# Altium PCB NNP-DWG-165-001-000 BP2 PCB, Unpopulated.PcbDoc (part 2 of 3)
Units mil, origin at the board's own origin, x right, y up, seen from the top; angles counter-clockwise.
Board outline 4165.82 x 2037.39 mil, 4 copper layers (Layer 1, Plated Cu, Layer 2, Cu, Layer 3, Cu, Layer 4, Plated Cu), stack 15.546 mil thick; 177 components, 109 nets, 543 pads, 287 vias.
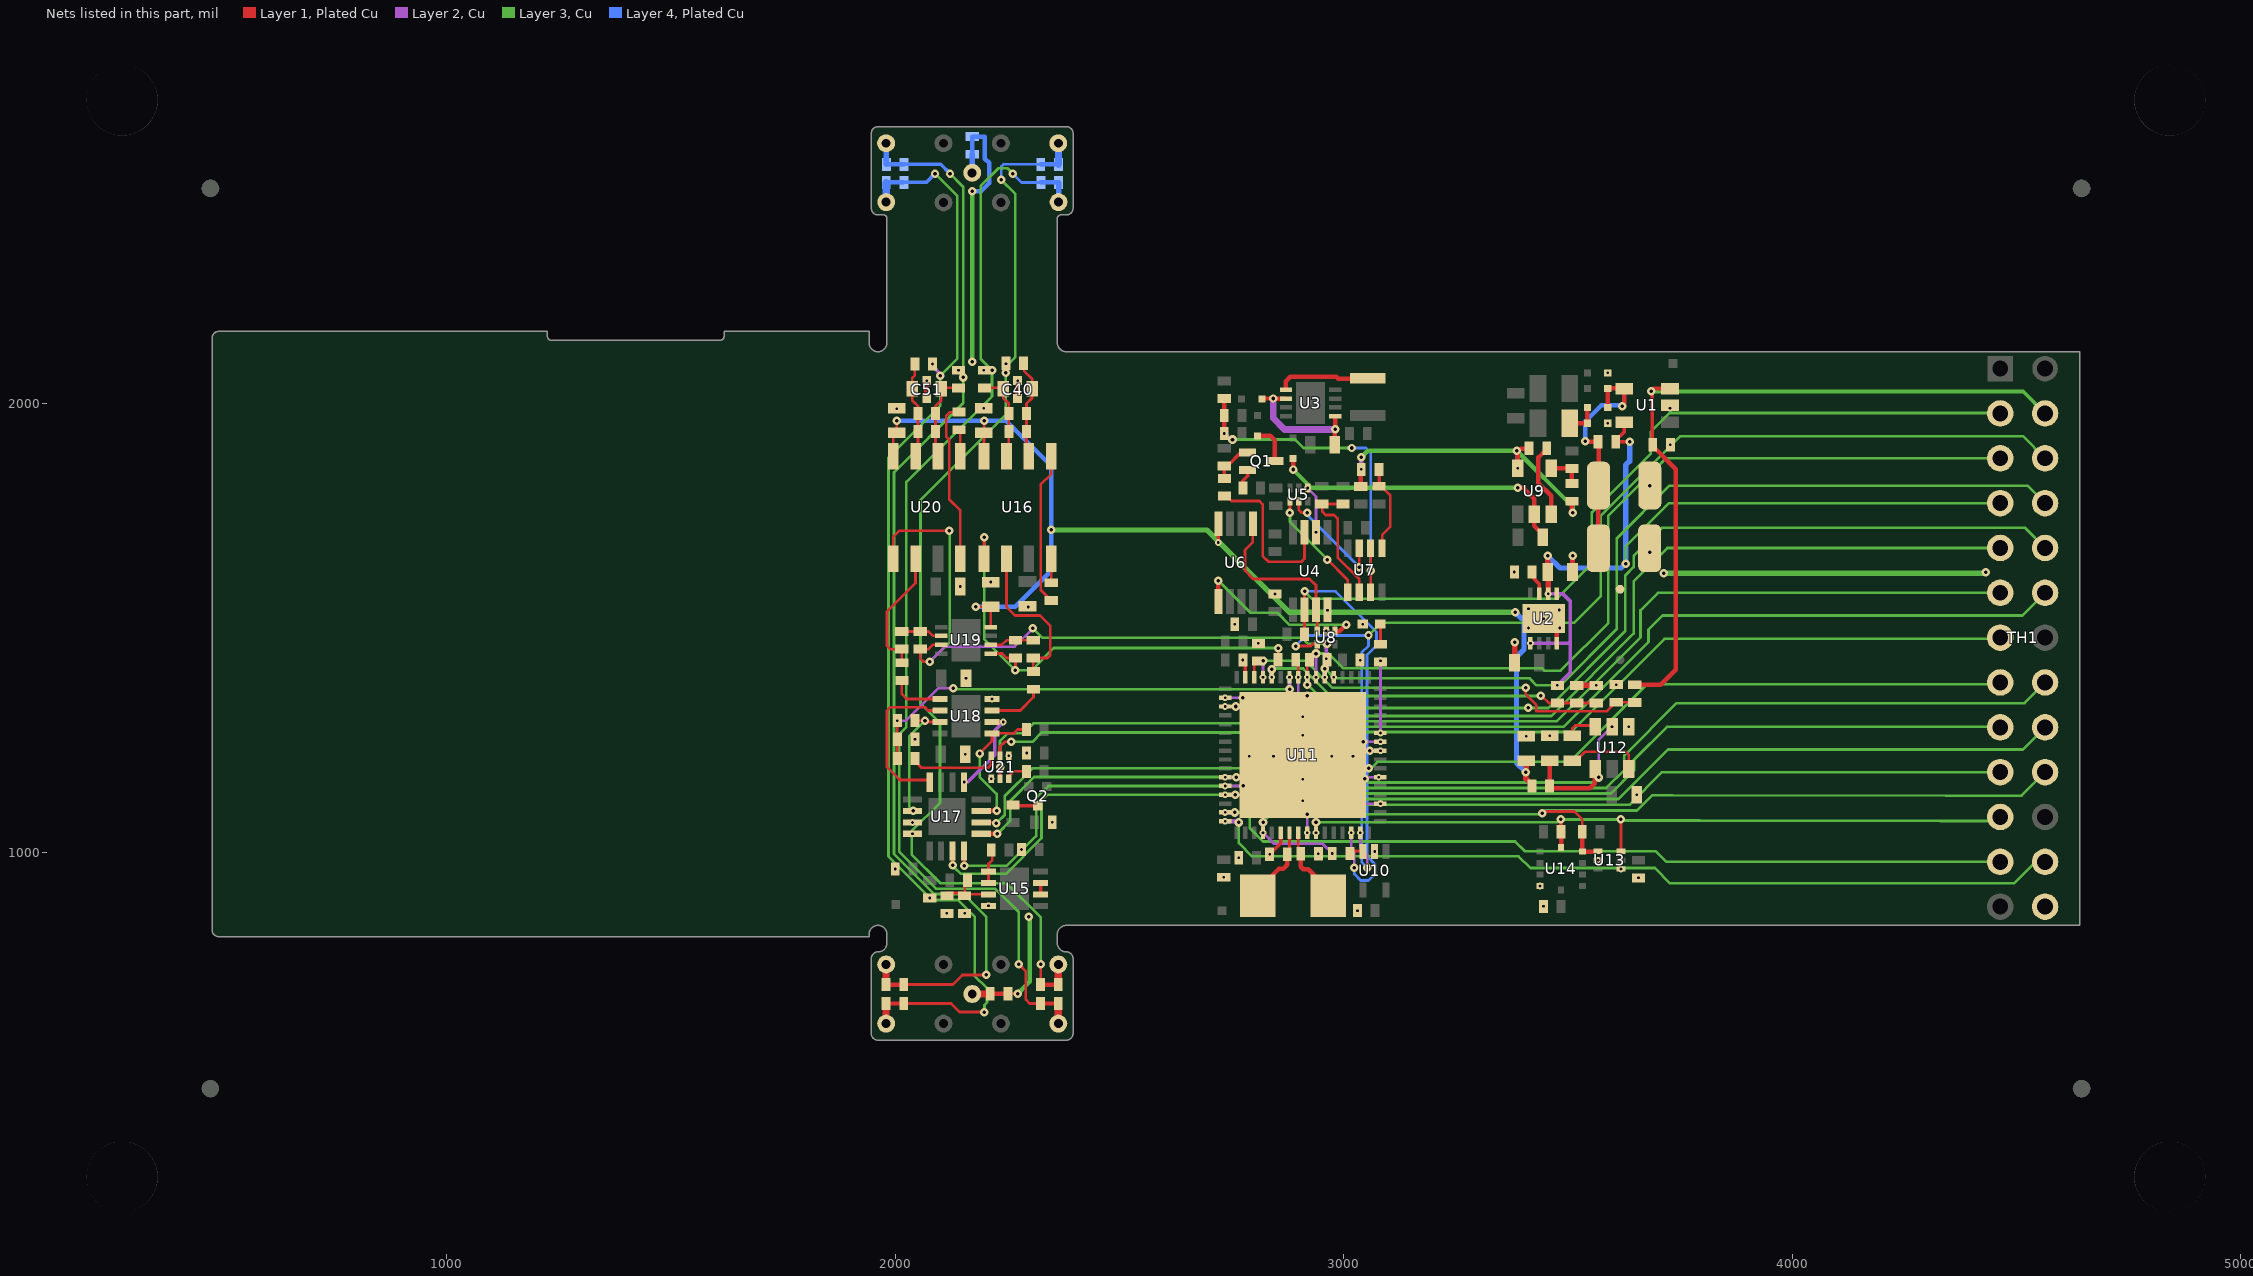
[diagram p4: the nets of this part, all layers, seen from the top]

## Via types
v1: diameter 18.9/18.9/18.9/18.9 (per signal layer), hole 7.87, Layer 1, Plated Cu to Layer 4, Plated Cu, tented both sides, 117 vias
v2: diameter 15, hole 5.91, Layer 1, Plated Cu to Layer 2, Cu, tented both sides, 117 vias
v3: diameter 19.4, hole 7.87, Layer 2, Cu to Layer 3, Cu, tented both sides, 25 vias
v4: diameter 15, hole 5.91, Layer 1, Plated Cu to Layer 2, Cu, tented top, 17 vias
v5: diameter 19.4, hole 7.87, Layer 2, Cu to Layer 3, Cu, 9 vias
v6: diameter 15, hole 5.91, Layer 1, Plated Cu to Layer 2, Cu, 2 vias

## Nets (pads, with @x,y where several pads share a name; then routed paths per layer and width w, separated by ;. In a path a pad name is that pad's centre, name@x,y a point inside that pad or via, vN(x,y) a via of type N, cw(c..) or ccw(c..) an arc to the next point about the centre after c; other vN are vias at no path point) (continued)
CH1NEG: R2.2 R4.2 R47.1 | length 2281.3
  Layer 1, Plated Cu w5.98: R4.2@2324,708.14 v1@2324,750.01
  Layer 2, Cu w10: v3(2246.56,2069.15) v2@2246.56,2089.43
  Layer 3, Cu w5.98: v1(2236.12,2499.69) 2267.61,2468.19 2267.61,2104.02 2246.56,2082.97 v3(2246.56,2069.15) 2246.56,1975.6 2056.31,1785.34 2056.31,1331.24 2099.42,1288.12 2099.42,1110.06 2036.48,1047.12 2036.48,994.94 2100.81,930.62 2248.43,930.62 2324.02,855.03 v1(2324.02,750.04)
  Layer 4, Plated Cu w5.98: v1(2236.12,2499.69) 2236.12,2528.66 2241.41,2533.95 R2.2@2324.32,2533.95
  other v2: 2246.72,2089.59
CH1POS: R1.2 R3.2 R44.1 | length 2325.7
  Layer 1, Plated Cu w5.98: v1(2275.3,750.04) 2291.05,734.29 2291.05,670.96 2299.57,662.44 2320.44,662.44 R3.2@2323.99,658.88
  Layer 2, Cu w11.81: v2(2197.05,2074.84) v3(2215.75,2074.84)
  Layer 3, Cu w5.98: v1(2261.71,2513.47) 2249.9,2525.28 2230.21,2525.28 2190.16,2485.23 2190.16,2100.43 v3(2215.75,2074.84) 2215.75,2016.72 2024.52,1825.49 2024.52,1279.06 2008.81,1263.35 2008.81,1000.65 2090.82,918.65 2222.67,918.65 2275.3,866.02 v1(2275.3,750.04)
  Layer 4, Plated Cu w5.98: v1(2261.71,2513.47) 2281.56,2493.62 R1.2@2324.82,2493.62
CH2: C50.1 C53.1 R51.2 TH1.6 U11.58 | length 2791.6
  Layer 1, Plated Cu w5.98: C53.1@2004.61,1208.7 C50.1@2004.61,1252.01 v2(2004.61,1293.34)
  Layer 2, Cu w5.98: v2(2004.61,1293.34) 2023.83,1293.34 2096.1,1365.62 v1(2129.32,1365.62) ; v3(2879.14,1363.23) v3@2879.14,1366.18
  Layer 2, Cu w9.84: v3@2879.14,1366.18 v2(2879.14,1389.8)
  Layer 3, Cu w5.98: v1(2129.32,1365.62) 2131.71,1363.23 v3(2879.14,1363.23) 2879.14,1352.76 2940.09,1291.81 3474.65,1291.81 3661.81,1478.97 3661.81,1539.43 3700.83,1578.44 TH1.6@4464.26,1578.44
CH2NEG: R6.2 R8.2 R56.1 | length 2311.5
  Layer 1, Plated Cu w5.98: R8.2@2018.9,704.76 2128.2,704.76 2149.5,726.07 v1(2202.65,726.07) ; v2(2140.95,2074.84) R56.1@2141.94,2074.84
  Layer 2, Cu w7.87: v2(2140.95,2074.84) v3(2151.47,2058.74)
  Layer 3, Cu w5.98: v1(2121.94,2513.47) 2151.47,2483.94 v3(2151.47,2058.74) 2151.47,2001.66 1996.85,1847.03 1996.85,995.69 2085.86,906.68 2151.96,906.68 2202.65,855.99 v1(2202.65,726.07)
  Layer 4, Plated Cu w7.87: R6.2@2019.36,2533.95 2101.46,2533.95 v1(2121.94,2513.47)
CH2POS: R5.2 R7.2 R53.1 | length 2386.5
  Layer 1, Plated Cu w5.98: R7.2@2018.88,657.94 2023.38,662.44 2124.55,662.44 2143.6,643.39 v1(2198.72,643.39) ; R53.1@2082.88,2085.67 R53.1@2087.8,2090.59
  Layer 2, Cu w7.87: v2(2082.88,2088.62) v3(2100.29,2062.68)
  Layer 3, Cu w5.98: v1(2088.48,2513.47) 2137.85,2464.1 2137.85,2100.23 v3(2100.29,2062.68) 2100.29,1995.75 1984.88,1880.34 1984.88,990.73 2082.22,893.39 2139.66,893.39 2177.06,855.99 2177.06,724.1 2204.62,696.54 2204.62,665.04 2198.72,659.14 v1(2198.72,643.39)
  Layer 4, Plated Cu w7.87: R5.2@2019.04,2493.62 2068.63,2493.62 v1(2088.48,2513.47)
CMPX: U4.3 U6.1 U8.3 | length 388.1
  Layer 1, Plated Cu w5.98: U6.1@2797.45,1731.34 2797.45,1691.72 2779.79,1674.07 2779.79,1627.72 2798.23,1609.29 2924.14,1609.29 2938.2,1595.24 U4.3@2938.2,1540.39 2938.2,1536.45 2941.15,1533.5 U8.3@2941.15,1493.15 U8.3@2941.15,1491.18
CMPXBUS: U4.6 U5.4 | length 109.1
  Layer 1, Plated Cu w5.98: U4.6@2938.2,1709.68 U4.6@2938.2,1712.64
  Layer 2, Cu w5.98: v2(2919.49,1812.04) 2938.2,1793.34 v2(2938.2,1713.62)
GND: C2.2 C3.2 C4.2 C5.2 C9.2 C11.2 C18.2 C19.2 C20.2 C21.2 C22.2 C23.2 C24.2 C25.2 C26.2 C27.2 C29.2 C30.2 C31.2 C32.2 C33.2 C34.2 C35.2 C36.2 C37.2 C38.2 C40.3 C40.4 C43.2 C44.2 C45.2 C46.2 C47.2 C48.2 C50.2 C51.3 C51.4 C54.2 C55.1 D3.2 D4.2 LED1.1 R9.2 R10.2 R12.2 R13.2 R39.2 R42.2 TH1.26 U1.2 U2.8 U2.9 U4.4 U6.4 U8.2 U10.2 U11.22 U11.53 U11.63 U11.65 U12.4 U13.2 U13.4 U14.4 U15.4 U17.11 U17.12 U18.4 U21.1 U21.4 | length 1882.4
  Layer 1, Plated Cu w5.98: R10.2@2251.19,684.09 v1(2272.84,684.09) ; C38.2@2287.35,1226.41 v2(2292.76,1221) ; v2(3635.82,1280.05) U12.4@3639.75,1283.99
  Layer 1, Plated Cu w8: v2(2720.16,1690.53) 2720.16,1731.83 U6.4@2720.68,1732.34 ; v2(2774.81,1428.68) 2780.71,1422.77 U11.63@2780.71,1389.8 ; v2(2834.85,995.12) 2859.45,1019.72 U11.22@2859.45,1043.34
  Layer 1, Plated Cu w10: U2.8@3475.52,1465.7 3475.52,1493.67 v2(3481.67,1499.82)
  Layer 1, Plated Cu w12: C51.4@2070.08,2011.5 v2(2070.08,2051.5) ; C40.4@2272.84,2011.5 v2(2272.84,2051.5) ; C4.2@3380.94,1422.39 3381.36,1422.81 v1(3381.36,1468.13) ; C2.2@3510.19,1624.96 3510.19,1660.12 v1(3511.25,1661.18) ; R42.2@3519.64,1371.95 v2(3563.48,1371.95)
  Layer 3, Cu w10: v1(2171.46,2093.54) v1(2171.46,2474.45) ; v1(2272.84,684.09) 2299.42,710.67 v1@2299.42,855.35
  Layer 3, Cu w12: v1(3714.18,1622.12) 4429.97,1622.12 v1(4432.04,1624.19)
  Layer 4, Plated Cu w10: v1(2171.46,2474.45) 2191.39,2474.45 2209.17,2492.23 2209.17,2537.43 2199.75,2546.85 2199.75,2595.83 R9.2@2171.53,2595.83
  other v1: 2297.84,855.99 3682.6,1668.45 3682.66,1817.62
  other v2: 2114.97,863.43 2154.49,863.43 3030.71,869.62 3445.47,879.06 2207.63,880.45 2076.97,897.62 3437.69,924.52 3657.4,942.56 2732.68,943.86 1999.68,962.48 3618.57,962.4 3567.39,982.09 2766.04,987.49 2943.61,996.59 3069.1,1001.51 2281.42,1006 2038.2,1040.88 2038.2,1066.29 2350.01,1066.47 3653.3,1127.99 2213.79,1163.87 2253.16,1215.05 2156.21,1218.54 2043.98,1252.01 3407.06,1258.71 3459.64,1259.38 2215.75,1341.57 3608.1,1373.64 2157.68,1387.83 2977.57,1389.8 3036.62,1427.69 2809.75,1465.59 2960.83,1494.13 2757.09,1508.4 3042.53,1507.91 3445.99,1520.82 2963.79,1539.41 3412.2,1543.13 2296.74,1546.61 2846.66,1575.82 2144.89,1592.56 2212.8,1602.4 3380.67,1624.96 3728.52,1908.82 2003.16,1989.21 2197.05,1990.19 3727.78,1990.04
  other v4: 2908.32,1114.66 2908.32,1162.77 2908.32,1213.62 2973.54,1213.62 3020.65,1213.62 2908.32,1260.47 2908.32,1302.35 3412.2,1499.82 3480.62,1540.14 3588.96,1956.62 3588.96,2069.12
  other v6: 2789.18,1213.62 2843.52,1213.62
HEARTBEAT: R33.1 U11.43 | length 161.4
  Layer 2, Cu w5.98: v2(3081.9,1265.78) v2(3081.9,1427.2)
LACH1: R48.2 R49.1 U16.6 | length 363.7
  Layer 1, Plated Cu w5.98: U16.6@2247.84,1659.49 U16.6@2247.84,1654.56 2247.84,1546.69 2266.76,1527.77 2322.7,1527.77 2345.84,1504.63 2345.84,1440.16 2338.79,1433.11 R48.2@2307.78,1433.11 ; R48.2@2305.32,1433.11 R48.2@2307.78,1433.11 ; R49.1@2307.78,1405.55 R48.2@2307.78,1433.11
LACH2: R50.1 R52.2 U20.6 | length 288
  Layer 1, Plated Cu w5.98: R50.1@2014.47,1425.23 R52.2@2014.47,1452.79 ; R52.2@2017.92,1452.79 R52.2@2014.47,1452.79 ; U20.6@2045.08,1654.56 2045.08,1600.04 1981.5,1536.45 1981.5,1459.68 1988.39,1452.79 R52.2@2014.47,1452.79
LFCH1: U11.41 U21.2 | length 898.6
  Layer 1, Plated Cu w5.98: U21.2@2233.47,1215.05 2233.47,1235.56 2244.01,1246.1 v1(2258.08,1246.1)
  Layer 2, Cu w9.84: v3(3058.27,1226.41) v2(3081.9,1226.41)
  Layer 3, Cu w5.98: v1(2258.08,1246.1) 2305.8,1246.1 2326.47,1266.77 2870.84,1266.77 2911.2,1226.41 v3(3058.27,1226.41)
LFCH2: U11.42 U21.5 | length 966.1
  Layer 1, Plated Cu w5.98: U21.5@2233.47,1163.87 v1(2233.47,1189.46)
  Layer 2, Cu w5.98: v3(3043.51,1246.1) v2(3081.9,1246.1)
  Layer 3, Cu w5.98: v1(2233.47,1189.46) 2233.47,1248.19 2250.2,1264.92 2285.79,1264.92 2308.31,1287.44 2870.28,1287.44 2911.62,1246.1 v3(3043.51,1246.1)
MISO: TH1.22 U11.13 U17.15 | length 2699.8
  Layer 1, Plated Cu w8: v1(2127.76,970.27) U17.15@2127.76,1002.5
  Layer 2, Cu w5.98: v2(2735.44,1127.99) 2757.87,1127.99 v3(2758.11,1127.74)
  Layer 3, Cu w0: v1@2130,963.55 2135.57,957.98
  Layer 3, Cu w5.98: v1(2127.76,970.27) 2127.76,969.92 2145.97,951.72 2246.69,951.72 2326.12,1031.15 2326.12,1115.55 2338.31,1127.74 v3(2758.11,1127.74) 2800.8,1127.74 2810.16,1118.37 3612.73,1118.37 3723.36,1229 4514.81,1229 TH1.22@4564.26,1278.44
MOSI: TH1.9 U11.12 U17.16 | length 2590
  Layer 1, Plated Cu w8: v1(2153.35,969.55) U17.16@2153.35,1002.5
  Layer 2, Cu w5.98: v4(2735.44,1147.67) v3(2775.71,1147.67)
  Layer 3, Cu w5.98: v1(2153.35,969.55) 2247.6,969.55 2314.15,1036.11 2314.15,1120.51 2341.32,1147.67 v3(2775.71,1147.67) 2809.95,1147.67 2826.67,1130.96 3595.81,1130.96 3647.57,1182.72 3647.57,1206.04 3721.16,1279.63 4463.06,1279.63 TH1.9@4464.26,1278.44
N3V3: C31.1 C45.1 C47.1 C54.1 R34.2 U16.4 U19.4 U20.4 | length 2612.3
  Layer 1, Plated Cu w5.98: U20.4@1995.08,1882.91 1995.08,1926.02 2003.16,1934.09 C54.1@2003.16,1935.08 v1(2003.16,1961.65) ; v1(2179.34,1547.28) C47.1@2212.8,1547.28 U19.4@2212.8,1502.01 ; C45.1@2197.05,1934.09 2197.84,1933.3 U16.4@2197.84,1882.91 ; C45.1@2197.05,1935.08 2198.04,1936.06 v1(2198.04,1961.65)
  Layer 1, Plated Cu w12: C31.1@3407.06,1203.59 3407.06,1179.02 v1(3406.25,1178.21) 3406.25,1163.78 3419.9,1150.12 R34.2@3419.9,1147.67
  Layer 3, Cu w12: v1(2347.76,1718.56) 2694.9,1718.56 2877.99,1535.47 v1(3382.18,1535.47)
  Layer 4, Plated Cu w10: v1@2005.12,1961.65 v1(2198.04,1961.65) 2247.42,1961.65 2347.76,1861.31 v1(2347.76,1718.56) 2347.76,1627.42 2267.63,1547.28 v1(2179.34,1547.28)
  Layer 4, Plated Cu w12: v1(3382.18,1535.47) 3402.2,1515.45 3402.2,1452.17 3385.48,1435.45 3385.48,1198.98 v1(3406.25,1178.21)
N3V3_CTRL: U11.38 U12.5 | length 688.2
  Layer 2, Cu w5.98: v5(3047.15,1163.67) 3050.83,1167.36 v4(3078.21,1167.36) ; v5(3568.76,1166.62) 3568.76,1250.4 v4(3598.41,1280.05)
  Layer 3, Cu w5.98: v5(3047.15,1163.67) 3055.64,1155.18 3557.33,1155.18 v5(3568.76,1166.62)
N3V3BUS: C16.2 C17.2 R24.2 R25.2 U9.5 | length 746.4
  Layer 1, Plated Cu w10: C16.2@3037.82,1815.81 3037.82,1852.27 v2(3039.26,1853.72) ; v2(3387.91,1856.22) 3387.91,1892.84 3394.86,1899.79 3413.62,1899.79 C17.2@3408.81,1894.98 ; R24.2@3509.06,1782.71 3509.06,1759.11 v1(3511.25,1756.93)
  Layer 2, Cu w10: v2(3039.26,1853.72) v5(3039.26,1880.76) ; v5(3386.05,1894.98) 3387.91,1893.11 v2(3387.91,1856.22)
  Layer 3, Cu w10: v5(3039.26,1880.76) 3053.48,1894.98 v5(3386.05,1894.98) 3511.25,1769.78 v1(3511.25,1756.93)
NCSLOGPOT: TH1.8 U11.35 U17.2 | length 2593.3
  Layer 1, Plated Cu w5.98: U17.2@2191.74,1066.47 2225.9,1066.47 2225.9,1065.19 v1(2225.32,1064.62)
  Layer 2, Cu w5.98: v3(3056.15,1187.04) 3037.15,1187.04 3019.27,1169.16 3019.27,1122.14 3033.11,1108.3 v4(3081.9,1108.3)
  Layer 3, Cu w5.98: v1(2225.32,1064.62) 2229.24,1064.62 2229.82,1065.2 2228.07,1066.96 2244.01,1082.9 2244.01,1125.48 2305.57,1187.04 v3(3056.15,1187.04) 3061.05,1187.04 3075.46,1201.45 3503.71,1201.45 3676.77,1374.51 4460.33,1374.51 TH1.8@4464.26,1378.44
NetC3_1: C3.1 C5.1 D1.1 D2.1 R11.2 U1.4 | length 527.4
  Layer 1, Plated Cu w10: v1(3539.24,1915.92) 3540,1915.16 R11.2@3567.5,1915.16 3568.48,1914.18 C5.1@3568.48,1817.62 ; C3.1@3568.1,1677.76 C5.1@3568.1,1817.24 ; D2.1@3588.96,1992.07 D1.1@3588.96,2034.12 3625.31,2034.12 U1.4@3625.41,2034.02 3625.41,1999.08 v1(3621.35,1995.01)
  Layer 4, Plated Cu w10: v1(3539.24,1915.92) 3539.24,1960.8 3574.73,1996.29 3620.07,1996.29 v1(3621.35,1995.01)
NetC6_2: C6.2 D2.2 D4.1 | length 75.1
  Layer 1, Plated Cu w10: C6.2@3504.17,1956.36 3543.42,1956.36 D4.1@3543.68,1956.62 D2.2@3543.68,1992.07
NetC14_1: C14.1 D6.1 U3.2 U3.5 | length 311.4
  Layer 1, Plated Cu w10: D6.1@2817.39,2010.54 2818.63,2011.78 v1(2842.81,2011.78) ; v1(2842.81,2011.78) U3.2@2871.15,2011.76 ; C14.1@2980.41,1908.82 2980.41,1942.7 v1(2981.39,1943.68) U3.5@2981.39,1972.39
  Layer 2, Cu w15: v1(2842.81,2011.78) 2842.81,1967.99 2868.03,1942.77 2980.48,1942.77 v1(2981.39,1943.68)
NetC15_1: C15.1 D7.2 U9.2 | length 683.1
  Layer 1, Plated Cu w10: v1(2887.01,1853.4) D7.2@2887.01,1878.03 ; v1(3388.68,1812.34) 3401.05,1812.34 3425.31,1788.08 U9.2@3425.31,1753.85 3425.31,1727.63 3443.8,1709.14 C15.1@3443.8,1702.6
  Layer 3, Cu w10: v1(2887.01,1853.4) 2928.08,1812.34 v1(3388.68,1812.34)
NetC17_1: C17.1 U9.3 | length 165.4
  Layer 1, Plated Cu w10: C17.1@3452.99,1899.79 3452.99,1899.02 3434.37,1880.4 3434.37,1823.12 3462.71,1794.78 U9.3@3462.71,1753.85
NetC19_1: C19.1 U11.23 Y1.2 | length 174.4
  Layer 1, Plated Cu w5.98: Y1.2@2810.24,908.99 Y1.2@2810.24,917.31 ; C19.1@2874.22,995.12 2874.22,1003.97 2879.14,1008.89 U11.23@2879.14,1043.34 U11.23@2879.14,1049.25
  Layer 1, Plated Cu w10: Y1.2@2810.24,917.31 2855.41,962.48 2864.94,962.48 2874.22,971.75 C19.1@2874.22,995.12
NetC21_1: C21.1 U11.24 Y1.1 | length 167.7
  Layer 1, Plated Cu w5.98: U11.24@2898.82,1049.25 U11.24@2898.82,1043.34 2898.82,1008.9 C21.1@2903.75,1003.97 ; Y1.1@2967.72,908.99 Y1.1@2967.72,915.16
  Layer 1, Plated Cu w10: C21.1@2904.24,996.59 2904.24,967.63 2909.79,962.07 2920.81,962.07 Y1.1@2967.72,915.16
NetC24_1: C24.1 U11.62 | length 46.2
  Layer 1, Plated Cu w5.98: U11.62@2800.4,1389.8 2800.4,1425.23 2801.38,1426.22 C24.1@2809.75,1426.22 C24.1@2810.73,1426.22
NetC28_1: C28.1 U12.6 | length 71.5
  Layer 1, Plated Cu w5.98: C28.1@3509.83,1259.38 3509.83,1276.12 3516.07,1282.36 3558.71,1282.36 U12.6@3561.01,1280.05
NetC28_2: C28.2 U12.3 | length 168.5
  Layer 1, Plated Cu w5.98: C28.2@3509.83,1204.27 3518.65,1204.27 3538.34,1223.95 3628.93,1223.95 3635.82,1217.06 U12.3@3635.82,1185.57
NetC30_1: C30.1 R34.1 U12.1 | length 198.7
  Layer 1, Plated Cu w10: C30.1@3459.64,1204.27 3460.07,1203.83 3460.07,1142.62 3549.07,1142.62 3559.57,1153.11 3559.57,1184.13 U12.1@3561.01,1185.57
NetC34_1: C34.1 R37.2 R39.1 U15.3 | length 127.7
  Layer 1, Plated Cu w5.98: R39.1@2114.97,908.99 C34.1@2154.52,908.99 ; R37.2@2154.52,942.53 C34.1@2154.52,909 ; U15.3@2207.81,905.85 2157.67,905.85 C34.1@2154.52,908.99
NetC39_2: C39.2 U21.6 | length 56.9
  Layer 1, Plated Cu w5.98: U21.6@2253.16,1163.87 2253.16,1170.31 2263,1180.15 C39.2@2292.53,1180.15 C39.2@2287.6,1175.23
NetC40_1: C40.1 C41.1 R44.2 R46.1 U16.3 | length 203.4
  Layer 1, Plated Cu w5.98: R44.2@2197.05,2035.47 2240.36,2035.47 C40.1@2240.36,2033.5 2240.36,2012.83 2253.16,2000.04 C41.1@2253.16,1978.38 R46.1@2253.16,1938.03 2253.16,1888.23 U16.3@2247.84,1882.91
NetC40_2: C40.2 C41.2 R46.2 R47.2 U16.2 | length 223.2
  Layer 1, Plated Cu w5.98: R47.2@2286.05,2090.59 2287.41,2089.23 2287.41,2073.07 2305.32,2055.15 C40.2@2305.32,2033.5 2305.32,2013.42 2292.53,2000.63 C41.2@2292.53,1978.38 R46.2@2292.53,1938.03 2292.53,1888.23 U16.2@2297.84,1882.91
NetC42_2: C42.2 R48.1 U19.2 | length 86.8
  Layer 1, Plated Cu w5.98: U19.2@2212.8,1462.64 2238.39,1462.64 2248.23,1472.48 C42.2@2258.08,1472.48 ; C42.2@2267.92,1472.48 R48.1@2305.32,1472.48
NetC49_2: C49.2 R52.1 U19.6 | length 87.7
  Layer 1, Plated Cu w5.98: R52.1@2017.92,1492.16 C49.2@2055.32,1492.16 ; C49.2@2056.31,1492.16 2074.02,1492.16 2083.86,1482.32 U19.6@2102.57,1482.32
NetC51_1: C51.1 C52.1 R53.2 R55.1 U20.3 | length 212.7
  Layer 1, Plated Cu w5.98: R53.2@2043.51,2085.67 2043.51,2063.03 2037.6,2057.12 C51.1@2037.6,2033.5 2037.6,2007.91 2050.4,1995.12 C52.1@2050.4,1978.38 R55.1@2050.4,1938.03 2050.4,1888.23 U20.3@2045.08,1882.91
NetC51_2: C51.2 C52.2 R55.2 R56.2 U20.2 | length 199.8
  Layer 1, Plated Cu w5.98: U20.2@2095.08,1882.91 2089.77,1888.23 R55.2@2089.77,1938.03 C52.2@2089.77,1978.38 2089.77,1995.12 2102.57,2007.91 C51.2@2102.57,2033.5 2102.57,2035.47 R56.2@2140.95,2035.47 R56.2@2141.94,2036.45
NetC53_2: C53.2 U21.3 | length 204.7
  Layer 1, Plated Cu w5.98: C53.2@2043.98,1208.7 2043.98,1203 2058.96,1188.03 2206.9,1188.03 2213.79,1194.92 U21.3@2213.79,1215.05
NetD5_2: D5.2 Q1.3 | length 89.8
  Layer 1, Plated Cu w10: D5.2@2807.38,1928.5 2836.67,1928.5 2846.75,1918.42 Q1.3@2846.75,1872.14
NetL1_1: L1.1 U2.1
NetL2_1: L2.1 U3.1 | length 207.3
  Layer 1, Plated Cu w10: U3.1@2871.15,2031.44 2871.15,2050.39 2880.9,2060.15 2983.82,2060.15 2988.07,2055.9 3052.63,2055.9 L2.1@3053.38,2056.65
NetLED1_2: LED1.2 R33.2 | length 41.3
  Layer 1, Plated Cu w5.98: R33.2@3081.9,1466.57 LED1.2@3081.9,1507.91
NetQ1_1: Q1.1 R15.2 R16.1 | length 92.1
  Layer 1, Plated Cu w8: R16.1@2733.91,1833.48 2733.91,1860.95 2740.08,1860.95 2770.95,1891.82 Q1.1@2785.72,1891.82
NetQ1_2: Q1.2 R14.2 | length 44.8
  Layer 1, Plated Cu w8: R14.2@2775.07,1812.04 2775.07,1828.62 2785.72,1839.27 Q1.2@2785.72,1852.45
NetQ2_3: Q2.3 R30.1 | length 56
  Layer 1, Plated Cu w8: R30.1@2262.51,1105.33 2264.7,1103.14 Q2.3@2317.63,1103.14
NetR1_1: R1.1 X11.1 | length 44.8
  Layer 4, Plated Cu w12: X11.1@2364.07,2449.76 2364.19,2449.87 R1.1@2364.19,2493.62
  Layer 4, Plated Cu w15.75: X11.1@2363.41,2449.1 X11.1@2364.07,2449.76
NetR2_1: R2.1 X12.1 | length 47.3
  Layer 4, Plated Cu w15.75: X12.1@2363.41,2581.1 2363.69,2580.81 R2.1@2363.69,2533.95
NetR3_1: R3.1 X81.1 | length 41.3
  Layer 1, Plated Cu w5.98: X81.1@2363.36,617.75 X81.1@2363.51,617.6
  Layer 1, Plated Cu w15.75: X81.1@2363.36,617.75 R3.1@2363.36,658.88
NetR4_1: R4.1 X82.1 | length 41.5
  Layer 1, Plated Cu w5.98: X82.1@2363.37,749.46 X82.1@2363.51,749.6
  Layer 1, Plated Cu w15.75: R4.1@2363.37,708.14 X82.1@2363.37,749.46
NetR5_1: R5.1 X41.1 | length 43.9
  Layer 4, Plated Cu w15.75: X41.1@1979.67,2449.76 R5.1@1979.67,2493.62
NetR6_1: R6.1 X42.1 | length 47.4
  Layer 4, Plated Cu w12: X42.1@1979.41,2581.1 1979.99,2580.51 R6.1@1979.99,2533.95
NetR7_1: R7.1 X51.1 | length 40.3
  Layer 1, Plated Cu w15.75: X51.1@1979.51,617.6 R7.1@1979.51,657.94
NetR8_1: R8.1 X52.1 | length 40.5
  Layer 1, Plated Cu w15.75: R8.1@1979.51,709.12 X52.1@1979.51,749.6
NetR9_1: R9.1 X1.1 | length 41.4
  Layer 4, Plated Cu w12: X1.1@2171.41,2515.1 2171.53,2515.22 R9.1@2171.53,2556.46
NetR10_1: R10.1 X2.1 | length 40.3
  Layer 1, Plated Cu w5.98: R10.1@2207.78,683.6 R10.1@2211.82,684.09
  Layer 1, Plated Cu w15.75: X2.1@2171.51,683.6 R10.1@2207.78,683.6
NetR13_1: R13.1 U2.3 | length 55.7
  Layer 1, Plated Cu w8: R13.1@3420.04,1624.96 3420.04,1614.37 3436.15,1598.26 U2.3@3436.15,1575.93
NetR22_2: R22.2 R24.1 U9.4 | length 80.2
  Layer 1, Plated Cu w10: U9.4@3462.71,1856.22 3508.5,1856.22 R22.2@3509.06,1855.66 R24.1@3509.06,1822.08
NetR26_1: R26.1 U10.3 | length 30.2
  Layer 1, Plated Cu w5.98: R26.1@3013.49,1002.5 3043.02,1002.5 U10.3@3043.51,1002.01